# KiCad board TFLN_AI_NODE_X2_routed.kicad_pcb
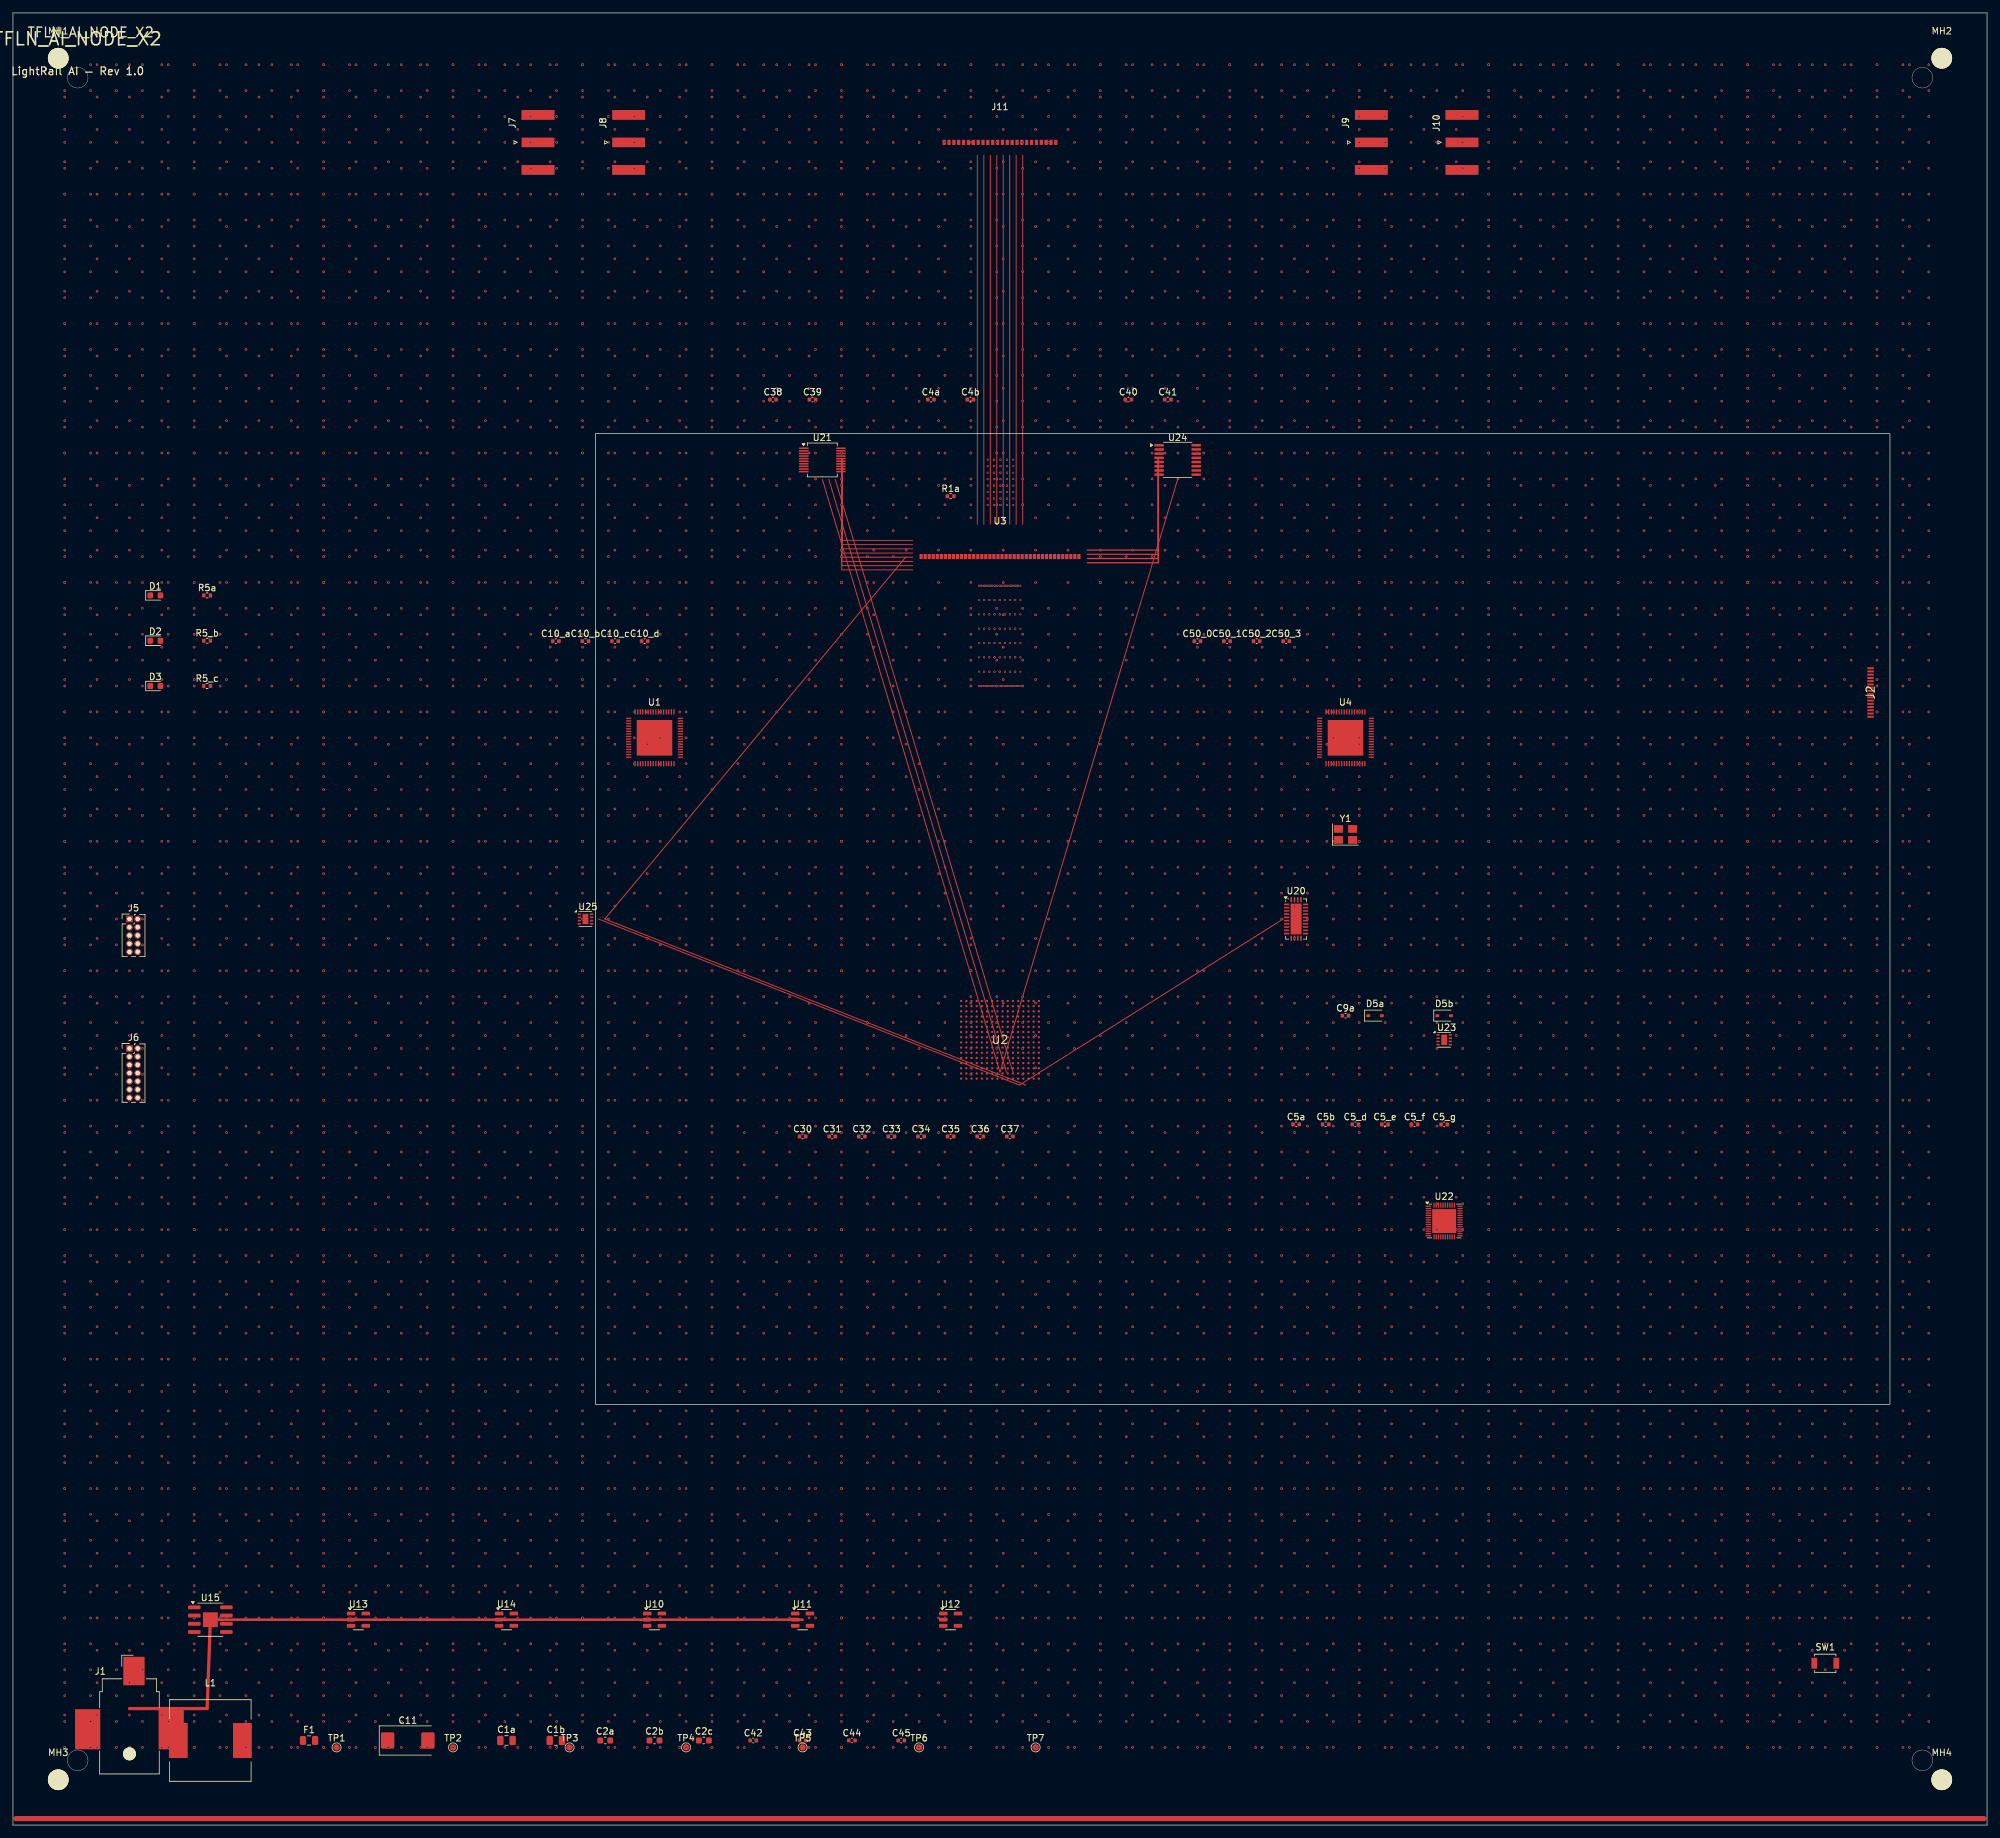
[diagram p0: board, top side]
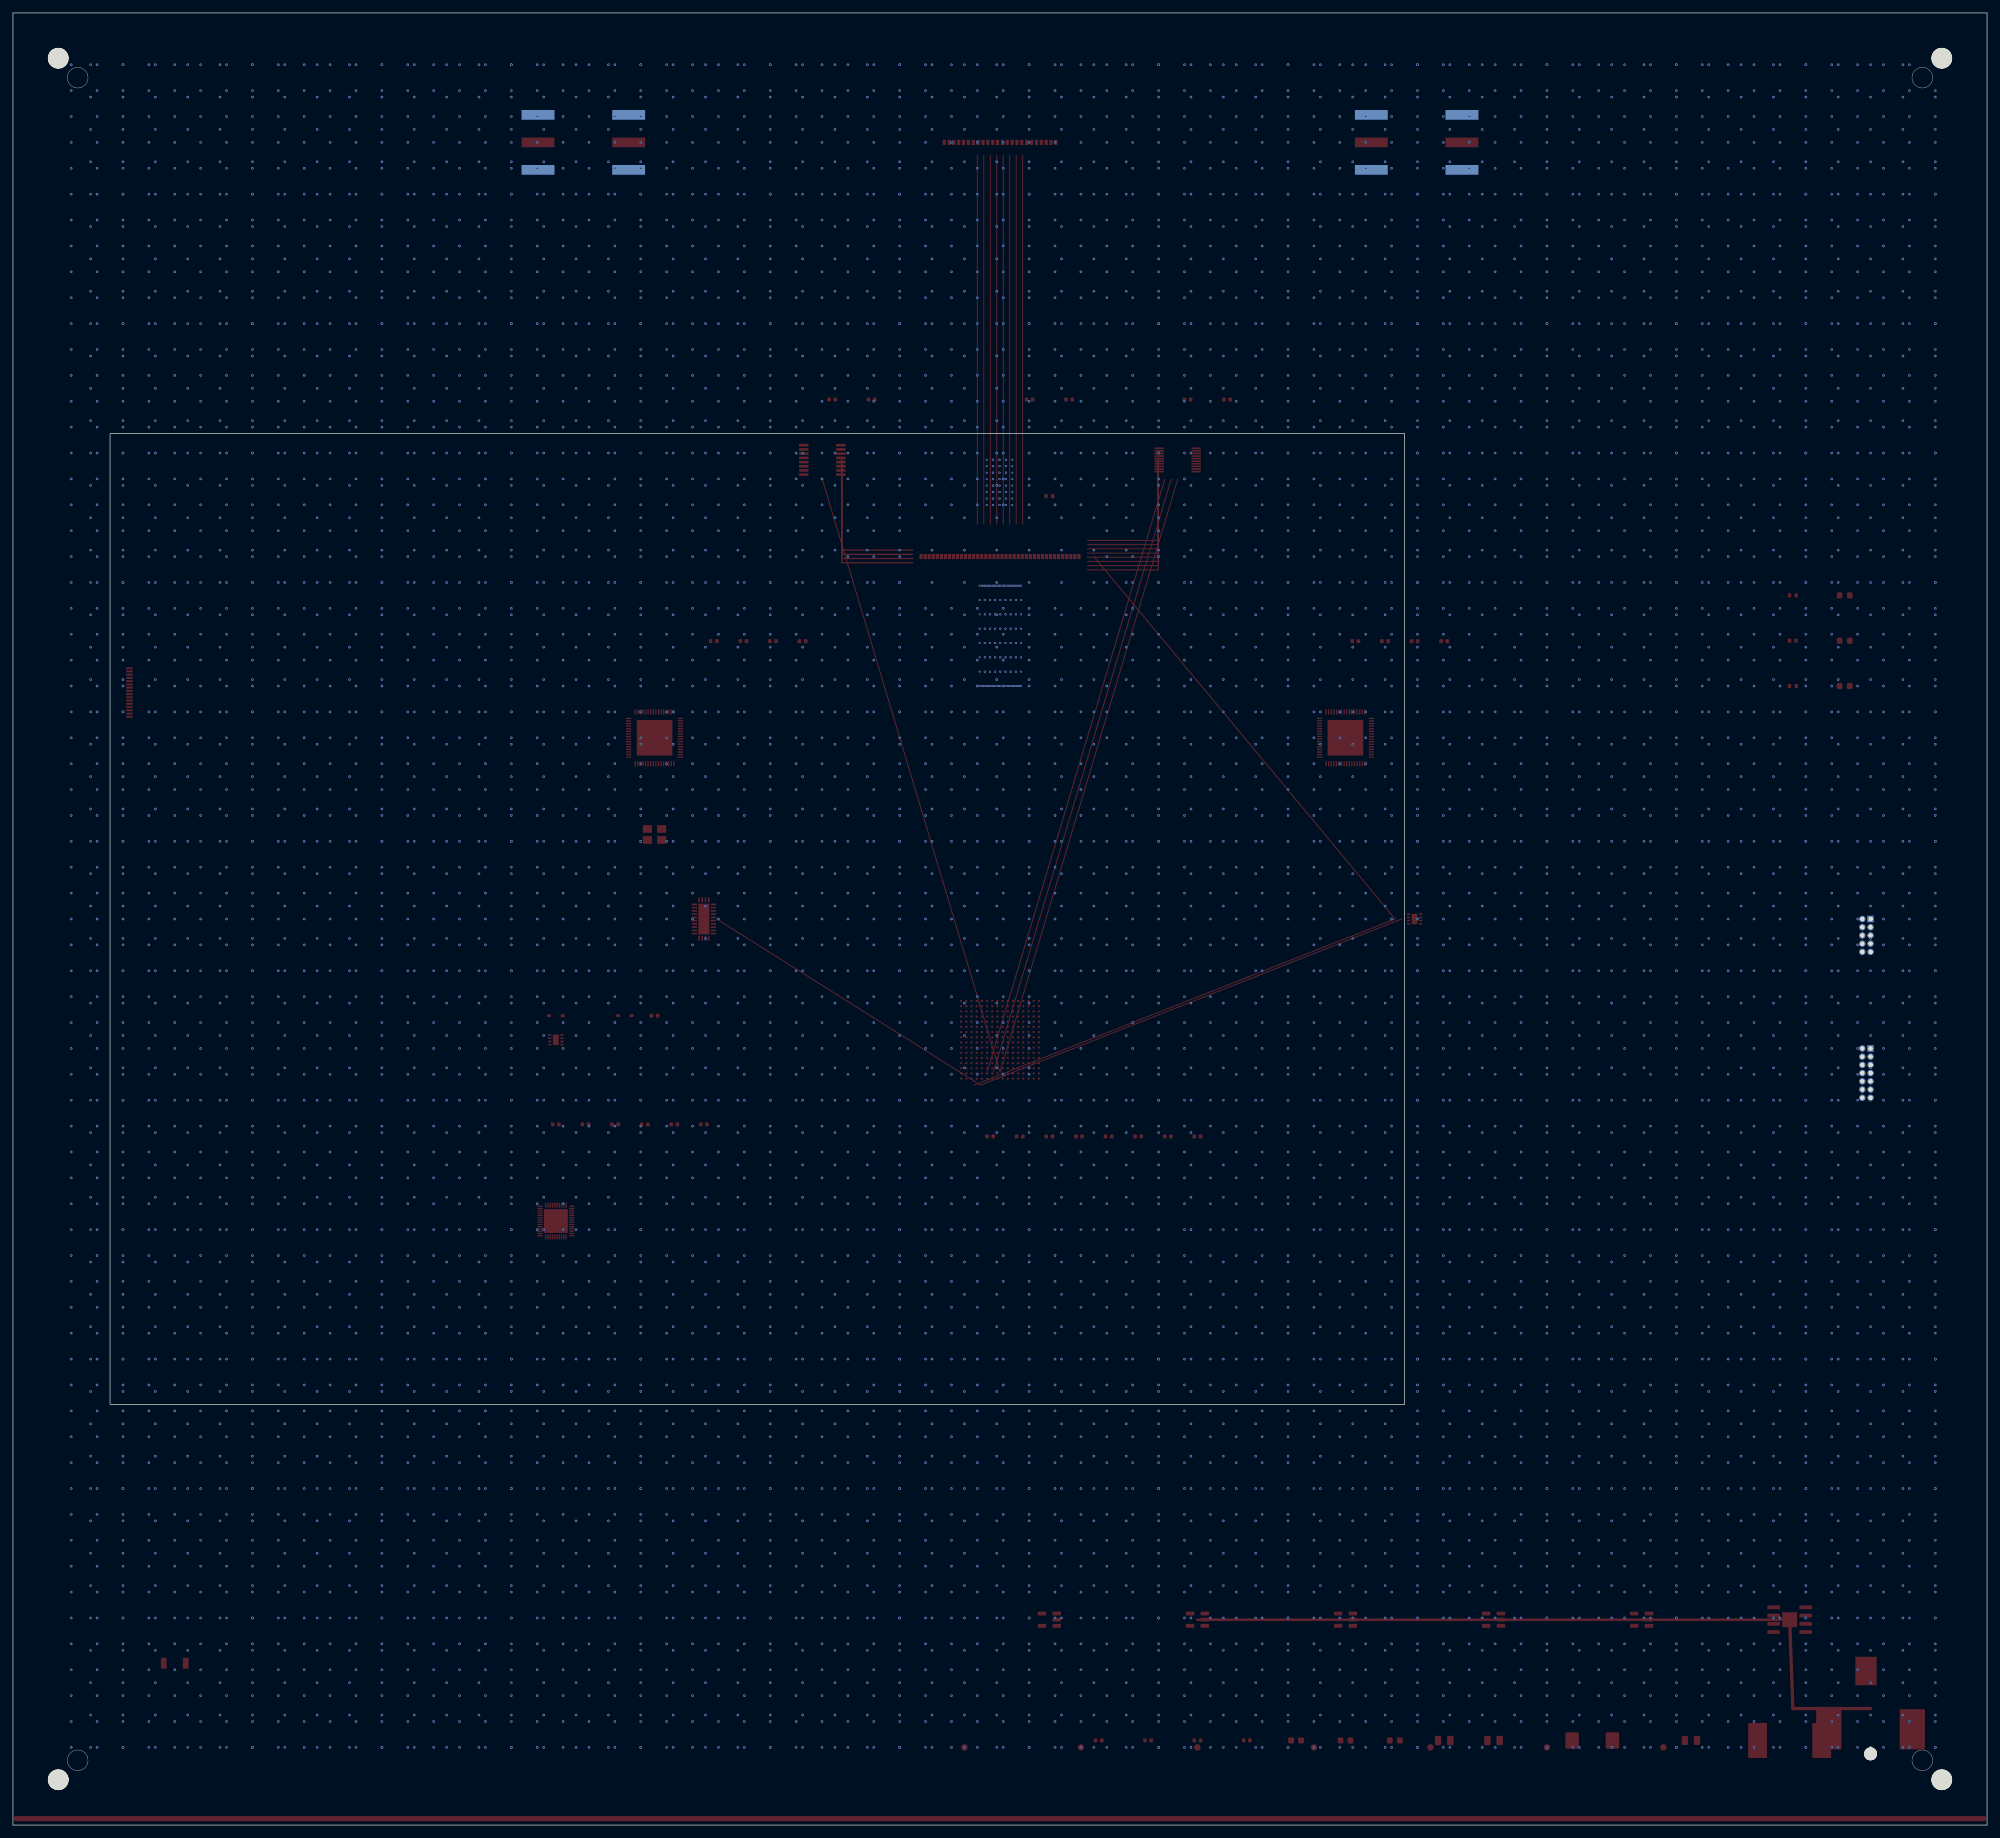
[diagram p1: board, bottom side, seen from below]

Outline 305 x 280 mm; copper layers: Top, In1.Cu (L2 Sig), In2.Cu (L3 GND), In3.Cu (L4 AXI), In4.Cu (L5 AXI_B), In5.Cu (L6 GND), In6.Cu (L7 TFLN/HBM), In7.Cu (L8 TFLN_B/HBM_B), In8.Cu (L9 GND), In9.Cu (L10 CLK), In10.Cu (L11 PWR 0V9), In11.Cu (L12 GND center), In12.Cu (L13 PWR 1V8), In13.Cu (L14 PWR 3V3), In14.Cu (L15 GND), In15.Cu (L16 Sig), In16.Cu (L17 Sig), In17.Cu (L18 Sig), In18.Cu (L19 Sig), In19.Cu (L20 Sig), In20.Cu (L21 GND), Bottom. Coordinates in mm from the lower left corner of the outline.
Outline path: circle c10,270 r1.6 ; circle c10,10 r1.6 ; rectangle 90,215 290,65 ; circle c295,270 r1.6 ; circle c295,10 r1.6 ; 0,280 305,280 305,0 0,0 0,280

## Placement (name value [footprint] x y rotation side)
C1a  22uF  [C_0805_2012Metric]  76.25 13.07 0 top
C1b  22uF  [C_0805_2012Metric]  83.88 13.07 0 top
C2a  10uF  [C_0603_1608Metric]  91.5 13.07 0 top
C2b  10uF  [C_0603_1608Metric]  99.12 13.07 0 top
C2c  10uF  [C_0603_1608Metric]  106.75 13.07 0 top
C4a  1uF  [C_0402_1005Metric]  141.82 220.27 0 top
C4b  1uF  [C_0402_1005Metric]  147.92 220.27 0 top
C5_d  100nF  [C_0402_1005Metric]  207.4 108.27 0 top
C5_e  100nF  [C_0402_1005Metric]  211.97 108.27 0 top
C5_f  100nF  [C_0402_1005Metric]  216.55 108.27 0 top
C5_g  100nF  [C_0402_1005Metric]  221.12 108.27 0 top
C5a  100nF  [C_0402_1005Metric]  198.25 108.27 0 top
C5b  100nF  [C_0402_1005Metric]  202.82 108.27 0 top
C9a  100nF  [C_0402_1005Metric]  205.88 125.07 0 top
C10_a  100nF  [C_0402_1005Metric]  83.88 182.93 0 top
C10_b  100nF  [C_0402_1005Metric]  88.45 182.93 0 top
C10_c  100nF  [C_0402_1005Metric]  93.02 182.93 0 top
C10_d  100nF  [C_0402_1005Metric]  97.6 182.93 0 top
C11  100uF  [CP_EIA-7343-15_Kemet-W]  61 13.07 0 top
C30  100nF  [C_0402_1005Metric]  122 106.4 0 top
C31  100nF  [C_0402_1005Metric]  126.57 106.4 0 top
C32  100nF  [C_0402_1005Metric]  131.15 106.4 0 top
C33  100nF  [C_0402_1005Metric]  135.72 106.4 0 top
C34  100nF  [C_0402_1005Metric]  140.3 106.4 0 top
C35  100nF  [C_0402_1005Metric]  144.88 106.4 0 top
C36  100nF  [C_0402_1005Metric]  149.45 106.4 0 top
C37  100nF  [C_0402_1005Metric]  154.02 106.4 0 top
C38  4.7uF  [C_0402_1005Metric]  117.42 220.27 0 top
C39  4.7uF  [C_0402_1005Metric]  123.52 220.27 0 top
C40  4.7uF  [C_0402_1005Metric]  172.32 220.27 0 top
C41  4.7uF  [C_0402_1005Metric]  178.42 220.27 0 top
C42  100nF  [C_0402_1005Metric]  114.38 13.07 0 top
C43  100nF  [C_0402_1005Metric]  122 13.07 0 top
C44  100nF  [C_0402_1005Metric]  129.62 13.07 0 top
C45  100nF  [C_0402_1005Metric]  137.25 13.07 0 top
C50_0  100nF  [C_0402_1005Metric]  183 182.93 0 top
C50_1  100nF  [C_0402_1005Metric]  187.57 182.93 0 top
C50_2  100nF  [C_0402_1005Metric]  192.15 182.93 0 top
C50_3  100nF  [C_0402_1005Metric]  196.72 182.93 0 top
D1  Green  [LED_0603_1608Metric]  22 190 0 top
D2  Blue  [LED_0603_1608Metric]  22 183 0 top
D3  Red  [LED_0603_1608Metric]  22 176 0 top
D5a  PRTR5V0U2X  [D_SOD-323]  210.45 125.07 0 top
D5b  PRTR5V0U2X  [D_SOD-323]  221.12 125.07 0 top
F1  2A  [Fuse_0805_2012Metric]  45.75 13.07 0 top
J1  DC_12V  [BarrelJack_CUI_PJ-036AH-SMT_Horizontal]  18 18 0 top
J2  USB-C  [USB_C_Numeric]  287 175 270 top
J5  JTAG  [PinHeader_2x05_P1.27mm_Vertical]  18 140 0 top
J6  GPIO  [PinHeader_2x07_P1.27mm_Vertical]  18 120 0 top
J7  SMA  [SMA_Amphenol_132289_EdgeMount]  81.12 260 0 top
J8  SMA  [SMA_Amphenol_132289_EdgeMount]  95.12 260 0 top
J9  SMA  [SMA_Amphenol_132289_EdgeMount]  209.88 260 0 top
J10  SMA  [SMA_Amphenol_132289_EdgeMount]  223.88 260 0 top
J11  -  [MPO-24]  152.5 260 0 top
L1  4.7uH  [L_12x12mm_H4.5mm]  30.5 13.07 0 top
MH1  M3  [MountingHole_3.2mm_M3]  7 273 0 top
MH2  M3  [MountingHole_3.2mm_M3]  298 273 0 top
MH3  M3  [MountingHole_3.2mm_M3]  7 7 0 top
MH4  M3  [MountingHole_3.2mm_M3]  298 7 0 top
R1a  10k  [R_0402_1005Metric]  144.88 205.33 0 top
R5_b  330  [R_0402_1005Metric]  30 183 0 top
R5_c  330  [R_0402_1005Metric]  30 176 0 top
R5a  330  [R_0402_1005Metric]  30 190 0 top
SW1  RESET  [SW_SPST_B3U-1000P]  280 25 0 top
TP1  +12V  [TestPoint_Pad_D1.0mm]  50 12 0 top
TP2  +5V  [TestPoint_Pad_D1.0mm]  68 12 0 top
TP3  +3V3  [TestPoint_Pad_D1.0mm]  86 12 0 top
TP4  +1V8  [TestPoint_Pad_D1.0mm]  104 12 0 top
TP5  +1V0  [TestPoint_Pad_D1.0mm]  122 12 0 top
TP6  +0V9  [TestPoint_Pad_D1.0mm]  140 12 0 top
TP7  GND  [TestPoint_Pad_D1.0mm]  158 12 0 top
U1  NCE_TEST_CHIP  [QFN-64_8x8mm_P0.4mm]  99.12 168 0 top
U2  XC7A100T  [BGA-256_Numeric]  152.5 121.33 0 top
U3  TFLN_PIC  [Custom_Optical_Module]  152.5 196 0 top
U4  NCE_TEST_CHIP_B  [QFN-64_8x8mm_P0.4mm]  205.88 168 0 top
U10  ADP7118  [TSOT-23-5]  99.12 31.73 0 top
U11  TPS7A2018  [SOT-23-5]  122 31.73 0 top
U12  TPS7A2010  [SOT-23-5]  144.88 31.73 0 top
U13  TPS7A3301  [SOT-23-5]  53.38 31.73 0 top
U14  TPS7A2018  [SOT-23-5]  76.25 31.73 0 top
U15  TPS54360  [HSOP-8-1EP_3.9x4.9mm_P1.27mm_EP2.3x2.3mm]  30.5 31.73 0 top
U20  Si5395A  [QFN-28-1EP_3x6mm_P0.5mm_EP1.7x4.75mm]  198.25 140 0 top
U21  AD7928  [TSSOP-20_4.4x5mm_P0.4mm]  125.05 210.93 0 top
U22  FT232H  [QFN-48-1EP_5x5mm_P0.35mm_EP3.7x3.7mm]  221.12 93.33 0 top
U23  W25Q128JVS  [WSON-8-1EP_2x2mm_P0.5mm_EP0.9x1.6mm]  221.12 121.33 0 top
U24  AD5684R  [TSSOP-16_4.4x5mm_P0.65mm]  179.95 210.93 0 top
U25  TMP461  [WSON-8-1EP_2x2mm_P0.5mm_EP0.9x1.6mm]  88.45 140 0 top
Y1  100MHz  [Crystal_SMD_3225-4Pin_3.2x2.5mm]  205.88 153.07 0 top

## Footprints (pads in the part's own frame, mm; a bottom-side part is the same pattern mirrored in y, then rotated)
BarrelJack_CUI_PJ-036AH-SMT_Horizontal
  round 2 hole 2 unplated: (0,-7)
  rect 3.3x4.4 smd: 1(0.7,5.8)
  rect 3.9x6.2 smd: 2(-6.45,-3.2) 3(6.45,-3.2)
BGA-256_Numeric
  round 0.35 smd: 1(-6,6) 2(-5.2,6) 3(-4.4,6) 4(-3.6,6) 5(-2.8,6) 6(-2,6) 7(-1.2,6) 8(-0.4,6) 9(0.4,6) 10(1.2,6) 11(2,6) 12(2.8,6) 13(3.6,6) 14(4.4,6) 15(5.2,6) 16(6,6) 17(-6,5.2) 18(-5.2,5.2) 19(-4.4,5.2) 20(-3.6,5.2) 21(-2.8,5.2) 22(-2,5.2) 23(-1.2,5.2) 24(-0.4,5.2) 25(0.4,5.2) 26(1.2,5.2) 27(2,5.2) 28(2.8,5.2) 29(3.6,5.2) 30(4.4,5.2) 31(5.2,5.2) 32(6,5.2) 33(-6,4.4) 34(-5.2,4.4) 35(-4.4,4.4) 36(-3.6,4.4) 37(-2.8,4.4) 38(-2,4.4) 39(-1.2,4.4) 40(-0.4,4.4) 41(0.4,4.4) 42(1.2,4.4) 43(2,4.4) 44(2.8,4.4) 45(3.6,4.4) 46(4.4,4.4) 47(5.2,4.4) 48(6,4.4) 49(-6,3.6) 50(-5.2,3.6) 51(-4.4,3.6) 52(-3.6,3.6) 53(-2.8,3.6) 54(-2,3.6) 55(-1.2,3.6) 56(-0.4,3.6) 57(0.4,3.6) 58(1.2,3.6) 59(2,3.6) 60(2.8,3.6) 61(3.6,3.6) 62(4.4,3.6) 63(5.2,3.6) 64(6,3.6) 65(-6,2.8) 66(-5.2,2.8) 67(-4.4,2.8) 68(-3.6,2.8) 69(-2.8,2.8) 70(-2,2.8) 71(-1.2,2.8) 72(-0.4,2.8) 73(0.4,2.8) 74(1.2,2.8) 75(2,2.8) 76(2.8,2.8) 77(3.6,2.8) 78(4.4,2.8) 79(5.2,2.8) 80(6,2.8) 81(-6,2) 82(-5.2,2) 83(-4.4,2) 84(-3.6,2) 85(-2.8,2) 86(-2,2) 87(-1.2,2) 88(-0.4,2) 89(0.4,2) 90(1.2,2) 91(2,2) 92(2.8,2) 93(3.6,2) 94(4.4,2) 95(5.2,2) 96(6,2) 97(-6,1.2) 98(-5.2,1.2) 99(-4.4,1.2) 100(-3.6,1.2) 101(-2.8,1.2) 102(-2,1.2) 103(-1.2,1.2) 104(-0.4,1.2) 105(0.4,1.2) 106(1.2,1.2) 107(2,1.2) 108(2.8,1.2) 109(3.6,1.2) 110(4.4,1.2) 111(5.2,1.2) 112(6,1.2) 113(-6,0.4) 114(-5.2,0.4) 115(-4.4,0.4) 116(-3.6,0.4) 117(-2.8,0.4) 118(-2,0.4) 119(-1.2,0.4) 120(-0.4,0.4) 121(0.4,0.4) 122(1.2,0.4) 123(2,0.4) 124(2.8,0.4) 125(3.6,0.4) 126(4.4,0.4) 127(5.2,0.4) 128(6,0.4) 129(-6,-0.4) 130(-5.2,-0.4) 131(-4.4,-0.4) 132(-3.6,-0.4) 133(-2.8,-0.4) 134(-2,-0.4) 135(-1.2,-0.4) 136(-0.4,-0.4) 137(0.4,-0.4) 138(1.2,-0.4) 139(2,-0.4) 140(2.8,-0.4) 141(3.6,-0.4) 142(4.4,-0.4) 143(5.2,-0.4) 144(6,-0.4) 145(-6,-1.2) 146(-5.2,-1.2) 147(-4.4,-1.2) 148(-3.6,-1.2) 149(-2.8,-1.2) 150(-2,-1.2) 151(-1.2,-1.2) 152(-0.4,-1.2) 153(0.4,-1.2) 154(1.2,-1.2) 155(2,-1.2) 156(2.8,-1.2) 157(3.6,-1.2) 158(4.4,-1.2) 159(5.2,-1.2) 160(6,-1.2) 161(-6,-2) 162(-5.2,-2) 163(-4.4,-2) 164(-3.6,-2) 165(-2.8,-2) 166(-2,-2) 167(-1.2,-2) 168(-0.4,-2) 169(0.4,-2) 170(1.2,-2) 171(2,-2) 172(2.8,-2) 173(3.6,-2) 174(4.4,-2) 175(5.2,-2) 176(6,-2) 177(-6,-2.8) 178(-5.2,-2.8) 179(-4.4,-2.8) 180(-3.6,-2.8) 181(-2.8,-2.8) 182(-2,-2.8) 183(-1.2,-2.8) 184(-0.4,-2.8) 185(0.4,-2.8) 186(1.2,-2.8) 187(2,-2.8) 188(2.8,-2.8) 189(3.6,-2.8) 190(4.4,-2.8) 191(5.2,-2.8) 192(6,-2.8) 193(-6,-3.6) 194(-5.2,-3.6) 195(-4.4,-3.6) 196(-3.6,-3.6) 197(-2.8,-3.6) 198(-2,-3.6) 199(-1.2,-3.6) 200(-0.4,-3.6) 201(0.4,-3.6) 202(1.2,-3.6) 203(2,-3.6) 204(2.8,-3.6) 205(3.6,-3.6) 206(4.4,-3.6) 207(5.2,-3.6) 208(6,-3.6) 209(-6,-4.4) 210(-5.2,-4.4) 211(-4.4,-4.4) 212(-3.6,-4.4) 213(-2.8,-4.4) 214(-2,-4.4) 215(-1.2,-4.4) 216(-0.4,-4.4) 217(0.4,-4.4) 218(1.2,-4.4) 219(2,-4.4) 220(2.8,-4.4) 221(3.6,-4.4) 222(4.4,-4.4) 223(5.2,-4.4) 224(6,-4.4) 225(-6,-5.2) 226(-5.2,-5.2) 227(-4.4,-5.2) 228(-3.6,-5.2) 229(-2.8,-5.2) 230(-2,-5.2) 231(-1.2,-5.2) 232(-0.4,-5.2) 233(0.4,-5.2) 234(1.2,-5.2) 235(2,-5.2) 236(2.8,-5.2) 237(3.6,-5.2) 238(4.4,-5.2) 239(5.2,-5.2) 240(6,-5.2) 241(-6,-6) 242(-5.2,-6) 243(-4.4,-6) 244(-3.6,-6) 245(-2.8,-6) 246(-2,-6) 247(-1.2,-6) 248(-0.4,-6) 249(0.4,-6) 250(1.2,-6) 251(2,-6) 252(2.8,-6) 253(3.6,-6) 254(4.4,-6) 255(5.2,-6) 256(6,-6)
C_0402_1005Metric
  rrect 0.56x0.62 smd: 1(-0.48,0) 2(0.48,0)
C_0603_1608Metric
  rrect 0.9x0.95 smd: 1(-0.775,0) 2(0.775,0)
C_0805_2012Metric
  rrect 1x1.45 smd: 1(-0.95,0) 2(0.95,0)
CP_EIA-7343-15_Kemet-W
  rrect 2.075x2.55 smd: 1(-3.112,0) 2(3.112,0)
Crystal_SMD_3225-4Pin_3.2x2.5mm
  rect 1.4x1.2 smd: 1(-1.1,-0.85) 2(1.1,-0.85) 3(1.1,0.85) 4(-1.1,0.85)
Custom_Optical_Module
  rect 0.5x0.8 smd: 1(-12.188,0) 2(-11.562,0) 3(-10.938,0) 4(-10.312,0) 5(-9.688,0) 6(-9.062,0) 7(-8.438,0) 8(-7.812,0) 9(-7.188,0) 10(-6.562,0) 11(-5.938,0) 12(-5.312,0) 13(-4.688,0) 14(-4.062,0) 15(-3.438,0) 16(-2.812,0) 17(-2.188,0) 18(-1.562,0) 19(-0.938,0) 20(-0.312,0) 21(0.312,0) 22(0.938,0) 23(1.562,0) 24(2.188,0) 25(2.812,0) 26(3.438,0) 27(4.062,0) 28(4.688,0) 29(5.312,0) 30(5.938,0) 31(6.562,0) 32(7.188,0) 33(7.812,0) 34(8.438,0) 35(9.062,0) 36(9.688,0) 37(10.312,0) 38(10.938,0) 39(11.562,0) 40(12.188,0)
D_SOD-323
  rrect 0.6x0.45 smd: 1(-1.05,0) 2(1.05,0)
Fuse_0805_2012Metric
  rrect 0.975x1.4 smd: 1(-0.938,0) 2(0.938,0)
HSOP-8-1EP_3.9x4.9mm_P1.27mm_EP2.3x2.3mm
  rrect 0.93x0.93 smd: (-0.575,0.575) (-0.575,-0.575) (0.575,0.575) (0.575,-0.575)
  rrect 1.95x0.6 smd: 1(-2.475,1.905) 2(-2.475,0.635) 3(-2.475,-0.635) 4(-2.475,-1.905) 5(2.475,-1.905) 6(2.475,-0.635) 7(2.475,0.635) 8(2.475,1.905)
  rect 2.3x2.3 smd: 9(0,0)
L_12x12mm_H4.5mm
  rect 2.9x5.4 smd: 1(-4.95,0) 2(4.95,0)
LED_0603_1608Metric
  rrect 0.875x0.95 smd: 1(-0.787,0) 2(0.787,0)
MountingHole_3.2mm_M3
  round 3.2 hole 3.2 unplated: (0,0)
MPO-24
  rect 0.5x0.8 smd: 1(-8.625,0) 2(-7.875,0) 3(-7.125,0) 4(-6.375,0) 5(-5.625,0) 6(-4.875,0) 7(-4.125,0) 8(-3.375,0) 9(-2.625,0) 10(-1.875,0) 11(-1.125,0) 12(-0.375,0) 13(0.375,0) 14(1.125,0) 15(1.875,0) 16(2.625,0) 17(3.375,0) 18(4.125,0) 19(4.875,0) 20(5.625,0) 21(6.375,0) 22(7.125,0) 23(7.875,0) 24(8.625,0)
PinHeader_2x05_P1.27mm_Vertical
  rect 1x1 hole 0.65: 1(0,0)
  oval 1x1 hole 0.65: 2(1.27,0) 3(0,-1.27) 4(1.27,-1.27) 5(0,-2.54) 6(1.27,-2.54) 7(0,-3.81) 8(1.27,-3.81) 9(0,-5.08) 10(1.27,-5.08)
PinHeader_2x07_P1.27mm_Vertical
  rect 1x1 hole 0.65: 1(0,0)
  oval 1x1 hole 0.65: 2(1.27,0) 3(0,-1.27) 4(1.27,-1.27) 5(0,-2.54) 6(1.27,-2.54) 7(0,-3.81) 8(1.27,-3.81) 9(0,-5.08) 10(1.27,-5.08) 11(0,-6.35) 12(1.27,-6.35) 13(0,-7.62) 14(1.27,-7.62)
QFN-28-1EP_3x6mm_P0.5mm_EP1.7x4.75mm
  rrect 0.69x0.96 smd: (-0.425,1.785) (-0.425,0.595) (-0.425,-0.595) (-0.425,-1.785) (0.425,1.785) (0.425,0.595) (0.425,-0.595) (0.425,-1.785)
  rrect 0.825x0.25 smd: 1(-1.462,2.25) 2(-1.462,1.75) 3(-1.462,1.25) 4(-1.462,0.75) 5(-1.462,0.25) 6(-1.462,-0.25) 7(-1.462,-0.75) 8(-1.462,-1.25) 9(-1.462,-1.75) 10(-1.462,-2.25) 15(1.462,-2.25) 16(1.462,-1.75) 17(1.462,-1.25) 18(1.462,-0.75) 19(1.462,-0.25) 20(1.462,0.25) 21(1.462,0.75) 22(1.462,1.25) 23(1.462,1.75) 24(1.462,2.25)
  rrect 0.25x0.8 smd: 11(-0.75,-2.975) 12(-0.25,-2.975) 13(0.25,-2.975) 14(0.75,-2.975) 25(0.75,2.975) 26(0.25,2.975) 27(-0.25,2.975) 28(-0.75,2.975)
  rect 1.7x4.75 smd: 29(0,0)
QFN-48-1EP_5x5mm_P0.35mm_EP3.7x3.7mm
  rrect 0.99x0.99 smd: (-1.23,1.23) (-1.23,0) (-1.23,-1.23) (0,1.23) (0,0) (0,-1.23) (1.23,1.23) (1.23,0) (1.23,-1.23)
  rrect 0.8x0.2 smd: 1(-2.45,2.275) 2(-2.45,1.925) 3(-2.45,1.575) 4(-2.45,1.225) 5(-2.45,0.875) 6(-2.45,0.525) 7(-2.45,0.175) 8(-2.45,-0.175) 9(-2.45,-0.525) 10(-2.45,-0.875) 11(-2.45,-1.225) 12(-2.45,-1.575) 13(-2.45,-1.925) 14(-2.45,-2.275) 25(2.45,-2.275) 26(2.45,-1.925) 27(2.45,-1.575) 28(2.45,-1.225) 29(2.45,-0.875) 30(2.45,-0.525) 31(2.45,-0.175) 32(2.45,0.175) 33(2.45,0.525) 34(2.45,0.875) 35(2.45,1.225) 36(2.45,1.575) 37(2.45,1.925) 38(2.45,2.275)
  rrect 0.2x0.8 smd: 15(-1.575,-2.45) 16(-1.225,-2.45) 17(-0.875,-2.45) 18(-0.525,-2.45) 19(-0.175,-2.45) 20(0.175,-2.45) 21(0.525,-2.45) 22(0.875,-2.45) 23(1.225,-2.45) 24(1.575,-2.45) 39(1.575,2.45) 40(1.225,2.45) 41(0.875,2.45) 42(0.525,2.45) 43(0.175,2.45) 44(-0.175,2.45) 45(-0.525,2.45) 46(-0.875,2.45) 47(-1.225,2.45) 48(-1.575,2.45)
  rect 3.7x3.7 smd: 49(0,0)
QFN-64_8x8mm_P0.4mm
  rect 0.2x0.8 smd: 1(-3,-4) 2(-2.6,-4) 3(-2.2,-4) 4(-1.8,-4) 5(-1.4,-4) 6(-1,-4) 7(-0.6,-4) 8(-0.2,-4) 9(0.2,-4) 10(0.6,-4) 11(1,-4) 12(1.4,-4) 13(1.8,-4) 14(2.2,-4) 15(2.6,-4) 16(3,-4) 33(3,4) 34(2.6,4) 35(2.2,4) 36(1.8,4) 37(1.4,4) 38(1,4) 39(0.6,4) 40(0.2,4) 41(-0.2,4) 42(-0.6,4) 43(-1,4) 44(-1.4,4) 45(-1.8,4) 46(-2.2,4) 47(-2.6,4) 48(-3,4)
  rect 0.8x0.2 smd: 17(4,-3) 18(4,-2.6) 19(4,-2.2) 20(4,-1.8) 21(4,-1.4) 22(4,-1) 23(4,-0.6) 24(4,-0.2) 25(4,0.2) 26(4,0.6) 27(4,1) 28(4,1.4) 29(4,1.8) 30(4,2.2) 31(4,2.6) 32(4,3) 49(-4,3) 50(-4,2.6) 51(-4,2.2) 52(-4,1.8) 53(-4,1.4) 54(-4,1) 55(-4,0.6) 56(-4,0.2) 57(-4,-0.2) 58(-4,-0.6) 59(-4,-1) 60(-4,-1.4) 61(-4,-1.8) 62(-4,-2.2) 63(-4,-2.6) 64(-4,-3)
  rect 5.5x5.5 smd: 65(0,0)
R_0402_1005Metric
  rrect 0.54x0.64 smd: 1(-0.51,0) 2(0.51,0)
SMA_Amphenol_132289_EdgeMount
  rect 5.08x1.5 smd: 1(0,0) 2(0,4.25) 2(0,-4.25)
  rect 5.08x1.5 smd far side: 2(0,4.25) 2(0,-4.25)
SOT-23-5
  rrect 1.325x0.6 smd: 1(-1.137,0.95) 2(-1.137,0) 3(-1.137,-0.95) 4(1.137,-0.95) 5(1.137,0.95)
SW_SPST_B3U-1000P
  rect 0.9x1.7 smd: 1(-1.7,0) 2(1.7,0)
TestPoint_Pad_D1.0mm
  round 1 smd: 1(0,0)
TSOT-23-5
  rrect 1.325x0.6 smd: 1(-1.137,0.95) 2(-1.137,0) 3(-1.137,-0.95) 4(1.137,-0.95) 5(1.137,0.95)
TSSOP-16_4.4x5mm_P0.65mm
  rrect 1.475x0.4 smd: 1(-2.862,2.275) 2(-2.862,1.625) 3(-2.862,0.975) 4(-2.862,0.325) 5(-2.862,-0.325) 6(-2.862,-0.975) 7(-2.862,-1.625) 8(-2.862,-2.275) 9(2.862,-2.275) 10(2.862,-1.625) 11(2.862,-0.975) 12(2.862,-0.325) 13(2.862,0.325) 14(2.862,0.975) 15(2.862,1.625) 16(2.862,2.275)
TSSOP-20_4.4x5mm_P0.4mm
  rrect 1.475x0.25 smd: 1(-2.862,1.8) 2(-2.862,1.4) 3(-2.862,1) 4(-2.862,0.6) 5(-2.862,0.2) 6(-2.862,-0.2) 7(-2.862,-0.6) 8(-2.862,-1) 9(-2.862,-1.4) 10(-2.862,-1.8) 11(2.862,-1.8) 12(2.862,-1.4) 13(2.862,-1) 14(2.862,-0.6) 15(2.862,-0.2) 16(2.862,0.2) 17(2.862,0.6) 18(2.862,1) 19(2.862,1.4) 20(2.862,1.8)
USB_C_Numeric
  rect 0.3x1 smd: 1(-3.75,0) 2(-3.25,0) 3(-2.75,0) 4(-2.25,0) 5(-1.75,0) 6(-1.25,0) 7(-0.75,0) 8(-0.25,0) 9(0.25,0) 10(0.75,0) 11(1.25,0) 12(1.75,0) 13(2.25,0) 14(2.75,0) 15(3.25,0) 16(3.75,0)
WSON-8-1EP_2x2mm_P0.5mm_EP0.9x1.6mm
  rect 0.75x0.65 smd: (0,0.4) (0,-0.4)
  rrect 0.5x0.25 smd: 1(-0.95,0.75) 2(-0.95,0.25) 3(-0.95,-0.25) 4(-0.95,-0.75) 5(0.95,-0.75) 6(0.95,-0.25) 7(0.95,0.25) 8(0.95,0.75)
  rect 0.9x1.6 smd: 9(0,0)
